# KiCad board mainboard.kicad_pcb (continued)
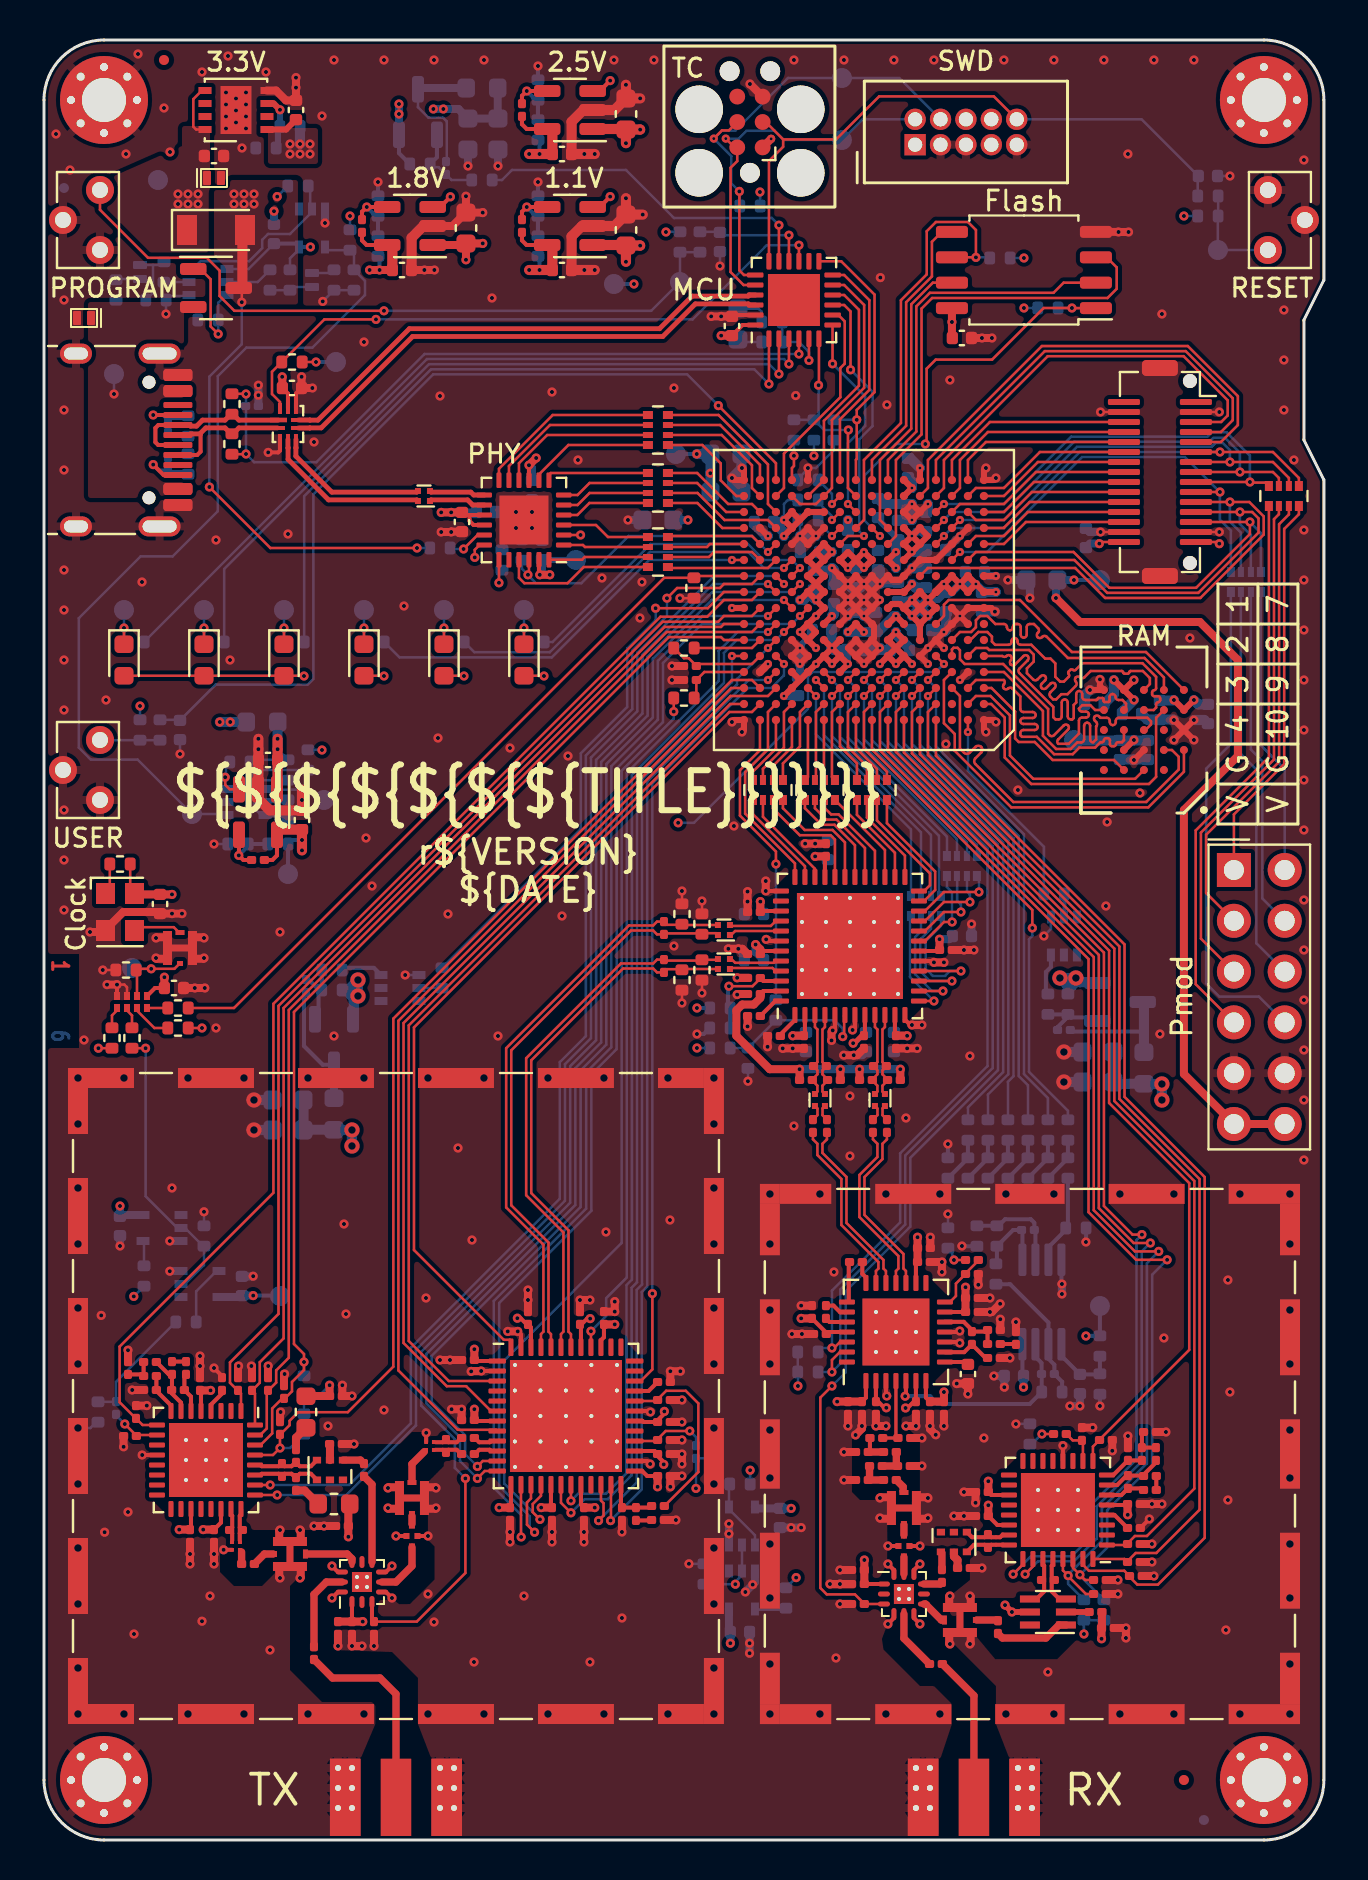
[diagram p0: board, top side]
## Routing (per net, layer and track width the routed paths; a pad name or vN(x,y) marks a point on that pad's centre or on a via; arc(x,y) is an arc through that point) (continued)
VBUS: length 2.9
  Bottom w0.127: Q2.1 7.2,77.2 6.31,77.2 R11.1 6.1,76.99 v1(6.1,76.3) ; TP4.1 v1(3.5,72.3)
VBUS_SAFE: length 26
  Top w0.127: v1(8.27,67.65) 11.32,64.6 v1(18.65,64.6) ; v1(9.89,76.89) 9.89,77.45 Q1.3
  Top w0.508: D8.2 9.92,80.37 9.92,77.78 Q1.3
  Bottom w0.127: v1(9.89,76.89) 9.89,74.79 8.27,73.17 v1(8.27,67.65) ; R19.1 v1(18.65,64.6)
  vias: v1(9.5,82.3) v1(9.5,81.8) v1(10,82.3) v1(10,81.8) v1(10.5,82.3) v1(10.5,81.8)
/Analog Power Supplies/~{POWER_GOOD}: length 44.3
  Bottom w0.127: U19.4 14.21,79.49 R97.2 15.5,79.29 R96.2 16.05,77.96 16.05,77.25 13.42,74.62 10.12,74.62 8.69,73.19 8.69,66.44 6.43,64.18 4.83,64.18 1.74,61.09 1.74,54.62 2.34,54.02 4.68,54.02 TP35.1 9.1,51.3 Q6.1 8.99,51.25
/Clock and Miscellaneous/AFE_CLK: length 26.5
  Top w0.127: R103.2 v1(7.9,40.6)
  In3.Cu w0.127: v1(32.65,39.6) 8.9,39.6 v1(7.9,40.6)
  Bottom w0.127: R30.1 v1(32.65,39.6)
/Clock and Miscellaneous/FPGA_CLK: length 36.7
  Top w0.127: U1.K16 32.59,63.2 R131.1 31.01,63.11 9.5,41.6 R45.2
/Clock and Miscellaneous/RX_CLK: length 64.2
  Top w0.127: R104.2 v1(2.72,39.59)
  In4.Cu w0.127: v1(34.57,12.79) 31.61,12.79 29.22,10.4 7.3,10.4 2.4,15.3 2.4,39.27 v1(2.72,39.59)
  Bottom w0.127: U23.2 34.9,13.2 ; U23.2 U20.2 ; U23.2 34.9,13.24 34.57,12.91 v1(34.57,12.79) R130.1
/Clock and Miscellaneous/RX_MIX_CLK: length 17.4
  Top w0.127: C124.2 v1(49.9,20.3)
  In4.Cu w0.127: v1(49.9,20.3) 48.17,20.3 44.47,16.6 41.09,16.6 v1(37.61,13.12)
  Bottom w0.127: v1(49.9,20.3) 49.39,19.79 R133.1 ; R106.2 v1(37.61,13.12)
/Clock and Miscellaneous/RX_RCVR_CLK: length 18.5
  Top w0.127: C94.2 v1(45.5,29)
  In4.Cu w0.127: v1(35.31,18.49) 38.03,21.21 40.01,21.21 42.04,23.24 43.13,23.24 44.9,25.01 44.9,27.4 45.5,28 v1(45.5,29)
  Bottom w0.127: R36.1 v1(35.31,18.49) ; v1(45.5,29) 45.42,29.08 45.42,29.37 R132.1
/Clock and Miscellaneous/TX_CLK: length 14.5
  Top w0.127: R105.2 v1(5.08,39.59)
  Bottom w0.127: v1(5.08,39.59) 5.08,32.19 6.67,30.6 U22.2 7.05,30.6 7.96,29.69 R127.1 8,28.75 7.05,27.8 U25.2
/Clock and Miscellaneous/TX_MIX_CLK: length 6.1
  Bottom w0.127: R134.1 3.59,21.91 C144.2 3.6,22.91 R35.2
/Clock and Miscellaneous/TX_XCVR_CLK: length 49.9
  In4.Cu w0.127: v1(4.49,27.18) 3.1,25.79 3.1,16.1 7.8,11.4 28.1,11.4 32.6,15.9 v1(32.6,17.58)
  Bottom w0.127: v1(32.6,17.58) C86.1 33.12,19.08 33.41,18.79 R135.1 ; R34.2 v1(4.49,27.18)
/Debugger/FPGA_ADV: length 10.9
  Top w0.127: U2.8 39.72,76.25 40.04,75.93 40.04,73.82 39.82,73.6 39.82,72.14 37,69.32 37,67.6 U1.R14
/Debugger/FPGA_CONFIG.DONE: length 10.6
  Top w0.127: U1.P9 v2(40.2,66.8) ; U2.7 39.43,75.74 v1(39.43,73.81)
  Bottom w0.127: v2(40.2,66.8) 40.2,69.84 41.06,70.7 41.06,72.18 v1(39.43,73.81)
/Debugger/FPGA_CONFIG.~{INIT}: length 14.3
  Top w0.127: U2.13 39.86,78.94 41.53,77.27 41.53,72.39 40.64,71.5 v1(40.64,71.01) 40.64,69.05 40.6,69.01 U1.T9
  Bottom w0.127: v1(40.64,71.01) R42.1
/Debugger/FPGA_CONFIG.~{PROGRAM}: length 10.6
  Top w0.127: U1.R9 40.2,67.6 40.2,70.48 v1(40.22,70.5) ; v1(38.73,72.74) 38.75,72.76 U2.6
  Bottom w0.127: v1(40.22,70.5) 39.01,70.5 R43.2 ; R43.2 38.73,71.24 v1(38.73,72.74) ; R43.2 R44.1
/Debugger/FPGA_JTAG.TCK: length 12
  Top w0.127: U1.T10 39.8,71.03 41.27,72.5 41.27,76.99 40.01,78.25 U2.12
/Debugger/FPGA_JTAG.TDI: length 14.3
  Top w0.127: U1.R13 37.8,66.8 38.6,66.8 U1.R11 39.4,67.6 39.4,71 41.01,72.61 41.01,76.75 40.01,77.75 U2.11
/Debugger/FPGA_JTAG.TDO: length 14.4
  Top w0.127: U1.M10 40.2,65.2 v2(41,65.2) ; U2.9 40.01,76.75 40.33,76.43 v1(40.33,73.51)
  Bottom w0.127: v1(40.33,73.51) 41.43,72.41 41.43,70.7 40.77,70.04 40.77,65.43 v2(41,65.2)
/Debugger/FPGA_JTAG.TMS: length 12
  Top w0.127: U1.R12 U1.T11 39,70.96 40.75,72.71 40.75,76.51 40.01,77.25 U2.10
/Debugger/LED1: length 39.5
  Top w0.127: U2.3 v1(37.25,73.8)
  Bottom w0.127: 5.01,59.92 R24.2 5.01,59.91 19.15,74.05 37,74.05 v1(37.25,73.8)
/Debugger/LED2: length 37.6
  Top w0.127: U2.2 v1(36.75,73.3)
  Bottom w0.127: R25.2 9.01,63.55 19.25,73.79 36.26,73.79 v1(36.75,73.3)
/Debugger/LED3: length 35.7
  Top w0.127: U2.1 v1(36.25,72.8)
  Bottom w0.127: R26.2 13.01,67.19 19.36,73.54 35.51,73.54 v1(36.25,72.8)
/Debugger/MCU_D+: length 25.4
  Top w0.24: U2.22 35.28,76.75 35.22,76.81 32.57,76.81 30.94,75.17 18.43,75.17 13.86,70.61 13.29,70.61 13.29,70.6 12.72,70.6
/Debugger/MCU_D-: length 25.4
  Top w0.24: 12.72,71 13.29,71 13.29,71 13.7,71 18.27,75.56 30.78,75.56 32.41,77.19 35.22,77.19 35.28,77.25 U2.21
/Debugger/MCU_SWCLK: length 23.7
  Top w0.127: U2.19 35,78.25 34.77,78.48 v1(34.77,82.43) ; v2(33.49,85.07) 33.9,85.48 34.25,85.48 J3.4
  Bottom w0.127: R5.2 34.77,81.72 v1(34.77,82.43) 34.37,82.83 34.37,84.19 v2(33.49,85.07) 33.89,85.47 34.57,85.47 37.2,88.1 TP2.1 42.76,88.1 J2.4
/Debugger/MCU_SWDIO: length 18.9
  Top w0.127: U2.20 34.98,77.75 34.33,78.4 34.33,83.61 34.67,83.94 J3.2 34.53,84.63 v2(34.09,85.07)
  Bottom w0.127: J2.2 40.94,86.03 TP3.1 37,85 36.54,85.46 35.13,85.46 34.74,85.07 v2(34.09,85.07)
/Debugger/USB_RESET_DETECT: length 35.2
  Top w0.127: v1(10.1,69.3) 10.09,69.29 R8.1 ; v1(10.1,72.3) 10.09,72.31 R7.2 ; U2.4 v1(37.75,74.3)
  Bottom w0.127: v1(37.75,74.3) 19.03,74.3 13.62,68.89 10.51,68.89 v1(10.1,69.3) 10.1,71.68 C5.1 10.1,71.72 v1(10.1,72.3)
/Debugger/USB_SWITCH: length 31.8
  Top w0.127: U2.15 v1(37.75,79.74) ; v1(16.6,76.03) 14.02,76.03 R6.2 11.4,73.41 11.4,72.3 11.8,71.9 U3.10
  Bottom w0.127: v1(16.6,76.03) 32.43,76.03 36.14,79.74 v1(37.75,79.74)
/Debugger/VERSION: length 4
  Top w0.127: U2.5 v1(38.25,73.98)
  Bottom w0.127: R2.1 R1.2 37.75,74.9 38.25,74.4 v1(38.25,73.98)
/Debugger/~{3V3FPGA_EN}: length 17.5
  Top w0.127: U2.17 v1(36.75,80.74)
  Bottom w0.127: R116.2 22.9,83 23.4,83.5 29.1,83.5 31.5,81.1 36.39,81.1 v1(36.75,80.74)
/Debugger/~{BTN_PROGRAM}: length 5.8
  Top w0.127: U2.16 v1(37.25,80.24)
  Bottom w0.127: R33.1 33.77,80.41 C54.1 33.94,80.24 v1(37.25,80.24)
/Debugger/~{BTN_RESET}: length 32.1
  Top w0.127: J3.3 36.09,85.9 36.96,85.03 ; 36.96,85.03 36.96,84.66 36.25,83.95 U2.18 ; 36.96,85.03 39.61,85.03 41.76,87.18 47.5,87.18 J2.10
  Bottom w0.127: R4.2 57.69,83.17 C1.1 54.88,86.03 J2.10
/Expansion Interfaces/MEZZANINE3: length 21.7
  Top w0.127: J6.3 58.86,70.9 59.19,71.23 59.19,71.99 56.98,74.19 50.19,74.19 45,69 45,67.6 U1.R4
/Expansion Interfaces/MEZZANINE4: length 22.3
  Top w0.127: J6.4 58.85,70.4 59.44,70.99 59.44,72.09 57.09,74.44 50.04,74.44 44.6,69 U1.T4
/Expansion Interfaces/MEZZANINE5: length 24.8
  Top w0.127: U1.R5 44.2,67.6 44.2,69 49.9,74.7 57.19,74.7 59.7,72.2 59.7,70.75 58.85,69.9 J6.5
/Expansion Interfaces/MEZZANINE6: length 22.2
  Top w0.127: RN4.1 62.75,68.1 61.45,69.4 v1(58.8,69.4) J6.6 ; U1.M4 v2(45,65.2)
  Bottom w0.127: v1(58.8,69.4) 51.8,69.4 48,65.6 45.4,65.6 v2(45,65.2)
/Expansion Interfaces/MEZZANINE7: length 21.8
  Top w0.127: U1.N3 v2(45.8,66) ; RN4.2 62.25,68.1 61.45,68.9 v1(59.3,68.9) J6.7
  Bottom w0.127: v2(45.8,66) 48,66 51.66,69.66 58.39,69.66 58.58,69.85 58.95,69.85 59.3,69.5 v1(59.3,68.9)
/Expansion Interfaces/MEZZANINE8: length 23
  Top w0.127: U1.N4 v2(45,66) ; RN4.3 61.75,68.1 61.45,68.4 v1(59.8,68.4) J6.8
  Bottom w0.127: v1(59.8,68.4) 59.8,69.36 59.05,70.11 58.48,70.11 58.28,69.91 51.51,69.91 48,66.4 45.4,66.4 v2(45,66)
/Expansion Interfaces/MEZZANINE9: length 22.9
  Top w0.127: J6.9 v1(60.3,67.9) 60.33,67.87 61.08,67.87 RN4.4 ; U1.P4 v2(45,66.8)
  Bottom w0.127: v2(45,66.8) 48,66.8 51.37,70.17 58.18,70.17 58.39,70.38 59.14,70.38 60.3,69.22 v1(60.3,67.9)
/Expansion Interfaces/MEZZANINE10: length 21.7
  Top w0.127: J6.10 v1(58.8,67.4) ; U1.L3 v2(45.8,64.4)
  Bottom w0.127: v2(45.8,64.4) 47.16,64.4 51.91,69.15 57.05,69.15 v1(58.8,67.4) 58.8,66.02 59.35,65.47 RN5.1
/Expansion Interfaces/MEZZANINE11: length 27.6
  Top w0.127: U1.K5 44.2,63.6 51.56,63.6 53.06,62.1 57.82,62.1 60.99,65.27 60.99,66.18 60.27,66.9 v1(59.3,66.9) J6.11
  Bottom w0.127: RN5.2 59.85,65.37 59.3,65.92 v1(59.3,66.9)
/Expansion Interfaces/MEZZANINE12: length 22.9
  Top w0.127: J6.12 v1(59.8,66.4) 60.41,66.4 60.73,66.08 60.73,65.37 57.71,62.36 53.17,62.36 51.52,64 U1.L1
  Bottom w0.127: v1(59.8,66.4) 59.8,65.8 60.35,65.25 RN5.3
/Expansion Interfaces/MEZZANINE13: length 22.1
  Top w0.127: U1.L2 46.6,64.4 51.48,64.4 53.27,62.61 57.61,62.61 60.3,65.3 v1(60.3,65.9) J6.13
  Bottom w0.127: v1(60.3,65.9) 60.85,65.35 RN5.4
/Expansion Interfaces/MEZZANINE18: length 7.5
  Top w0.127: J6.18 49.1,65.9 48,64.8 U1.M1
/Expansion Interfaces/MEZZANINE19: length 8.5
  Top w0.127: J6.19 49.2,66.4 48,65.2 46.6,65.2 U1.M2
/Expansion Interfaces/MEZZANINE20: length 7.5
  Top w0.127: U1.N1 48,65.6 48,65.61 49.29,66.9 J6.20
/Expansion Interfaces/MEZZANINE21: length 8.5
  Top w0.127: J6.21 49.4,67.4 48,66 46.6,66 U1.P2
/Expansion Interfaces/MEZZANINE22: length 7.6
  Top w0.127: J6.22 49.5,67.9 48,66.4 U1.P1
/Expansion Interfaces/MEZZANINE23: length 9.4
  Top w0.127: J6.23 49.6,68.4 48,66.8 45.8,66.8 U1.P3
/Expansion Interfaces/MEZZANINE24: length 7.7
  Top w0.127: J6.24 49.7,68.9 48,67.2 U1.R1
/Expansion Interfaces/MEZZANINE25: length 8.7
  Top w0.127: U1.R2 46.6,67.6 48,67.6 49.8,69.4 J6.25
/Expansion Interfaces/MEZZANINE26: length 9.2
  Top w0.127: U1.T2 46.2,69 47.1,69.9 J6.26
/Expansion Interfaces/MEZZANINE27: length 10.7
  Top w0.127: U1.R3 45.8,67.6 45.8,69 47.2,70.4 J6.27
/Expansion Interfaces/MEZZANINE28: length 10.4
  Top w0.127: U1.T3 45.4,69 47.3,70.9 J6.28
/Expansion Interfaces/PMOD1: length 19.5
  Top w0.127: RN4.8 62.75,66.29 62.01,65.55 62.01,53.79 59.5,51.28 J4.1
/Expansion Interfaces/PMOD2: length 23
  Top w0.127: RN4.7 62.25,66.28 61.76,65.79 61.76,53.91 58.11,50.26 58.11,47.35 J4.2
/Expansion Interfaces/PMOD3: length 25.6
  Top w0.127: RN4.6 61.75,66.29 61.5,66.04 61.5,54.02 57.85,50.37 57.85,45.07 J4.3
/Expansion Interfaces/PMOD4: length 28.1
  Top w0.127: RN4.5 61.25,54.14 57.59,50.48 57.59,42.79 J4.4
/Expansion Interfaces/PMOD7: length 14.4
  Bottom w0.127: RN5.5 60.85,54.73 62.04,53.54 J4.7
/Expansion Interfaces/PMOD8: length 17.1
  Bottom w0.127: J4.8 60.92,47.08 60.92,53.95 60.35,54.52 RN5.6
/Expansion Interfaces/PMOD9: length 19.9
  Bottom w0.127: J4.9 60.62,44.84 60.62,53.53 59.85,54.3 RN5.7
/Expansion Interfaces/PMOD10: length 24.8
  Bottom w0.127: J4.10 60.75,42.17 58.77,42.17 58.11,42.83 58.11,53.56 59.35,54.8 RN5.8
/FPGA Bank 8 and Configuration Flash/D0: length 14.4
  Top w0.127: U10.5 44.9,80.41 44.4,79.91 44.4,78.18 43.11,76.89 43.11,70.71 41.4,69 U1.T8
/FPGA Bank 8 and Configuration Flash/D1: length 18.7
  Top w0.127: U1.T7 42.2,69 43.62,70.42 43.62,76.68 44.3,77.36 50.48,77.36 50.99,77.86 U10.2
/FPGA Bank 8 and Configuration Flash/D2: length 25
  Top w0.127: U1.M7 42.6,65.2 42.6,69 43.88,70.28 43.88,76.57 44.41,77.1 53.18,77.1 53.64,77.56 53.64,78.63 53.13,79.14 U10.3
/FPGA Bank 8 and Configuration Flash/D3: length 14.5
  Top w0.127: U10.7 44.44,77.86 43.37,76.79 43.37,70.57 41.8,69 41.8,66 U1.N7
/FPGA Bank 8 and Configuration Flash/FLASH_CLK: length 22.4
  Top w0.127: U10.6 46.59,79.14 v1(46.6,79.13) 46.6,80.5 46.2,80.9 44.6,80.9 44.14,80.44 44.14,78.28 42.85,76.99 42.85,70.85 41,69 41,66 U1.N9
  Bottom w0.127: v1(46.6,79.13) 47.26,79.13 R37.2
/FPGA Bank 8 and Configuration Flash/FPGA_CFG0: length 1.7
  Top w0.127: U1.N10 v2(39.4,65.2)
  Bottom w0.127: R39.1 38.71,65.89 v2(39.4,65.2)
/FPGA Bank 8 and Configuration Flash/FPGA_CFG1: length 1.9
  Top w0.127: U1.P10 v2(39.4,66)
  Bottom w0.127: R40.1 38.71,66.88 39.4,66.19 v2(39.4,66)
/FPGA Bank 8 and Configuration Flash/FPGA_CFG2: length 2.1
  Top w0.127: U1.R10 v2(39.4,66.8)
  Bottom w0.127: R41.1 39.4,67.31 v2(39.4,66.8)
/FPGA Bank 8 and Configuration Flash/~{CS_DI}: length 21.8
  Top w0.127: U10.1 51.41,76.59 v1(51.4,76.6) 49.99,76.6 47.41,74.02 44.59,74.02 44.13,73.56 44.13,69.86 v1(44.07,69.8) ; U1.N8 v2(41.8,65.2)
  Bottom w0.127: v1(44.07,69.8) 42.6,69.8 41.02,68.22 41.02,65.98 v2(41.8,65.2) ; R38.2 v1(51.4,76.6)
/FPGA Bank 8 and Configuration Flash/~{FPGA_SELF_PROGRAM}: length 2
  Top w0.127: v1(37.5,69.21) 37.5,68.7 37.4,68.6 U1.T13
  Bottom w0.127: R44.2 v1(37.5,69.21)
/FPGA Banks 0 and 1/AFE_ALT_CLK: length 15.1
  Top w0.127: U1.A15 35.8,54.49 34.8,53.49 34.8,51.22 36.6,49.42 v1(36.6,48.8)
  Bottom w0.127: R119.2 v1(36.6,48.8)
/FPGA Banks 0 and 1/AFE_SPI.PICO: length 4.4
  Top w0.127: RN10.3 35.95,53.56 37,54.61 37,56.4 U1.B13
/FPGA Banks 0 and 1/AFE_SPI.SCK: length 3.5
  Top w0.127: RN10.4 35.45,53.42 36.6,54.57 U1.A14
/FPGA Banks 0 and 1/AFE_SPI.~{CS}: length 10.3
  Top w0.127: U1.B14 36.2,56.4 36.2,54.53 35.06,53.39 35.06,51.32 37.55,48.83 U11.36
/FPGA Banks 0 and 1/DA0: length 12.5
  Top w0.127: U1.C12 v2(38.6,57.2)
  Bottom w0.127: v2(38.6,57.2) 38.6,55.28 43.35,50.53 RN6.1
/FPGA Banks 0 and 1/DA1: length 13.5
  Top w0.127: U1.C11 v2(38.6,58)
  Bottom w0.127: RN6.2 43.85,50.39 39,55.24 U1.C11 v2(38.6,58)
/FPGA Banks 0 and 1/DA2: length 12.6
  Top w0.127: U1.C10 v2(39.4,57.2)
  Bottom w0.127: RN6.3 44.35,50.25 39.4,55.2 v2(39.4,57.2)
/FPGA Banks 0 and 1/DA3: length 13.6
  Top w0.127: U1.D11 v2(39.4,58)
  Bottom w0.127: v2(39.4,58) 39.8,57.6 39.8,55.16 44.75,50.21 44.75,47.3 RN6.4
/FPGA Banks 0 and 1/DA4: length 10.6
  Top w0.127: U1.C9 v2(40.2,57.2)
  Bottom w0.127: RN7.1 45.15,50.17 40.2,55.12 v2(40.2,57.2)
/FPGA Banks 0 and 1/DA5: length 11.6
  Top w0.127: U1.D9 v2(40.2,58)
  Bottom w0.127: RN7.2 45.65,50.03 40.6,55.08 40.6,57.6 v2(40.2,58)
/FPGA Banks 0 and 1/DA6: length 10.7
  Top w0.127: U1.C8 v2(41,57.2)
  Bottom w0.127: v2(41,57.2) 41,55.04 46.15,49.89 RN7.3
/FPGA Banks 0 and 1/DA7: length 11.7
  Top w0.127: U1.D8 v2(41,58)
  Bottom w0.127: v2(41,58) 41.4,57.6 41.4,55 46.65,49.75 RN7.4
/FPGA Banks 0 and 1/DD0: length 4.4
  Top w0.127: RN8.1 42.15,53.41 41,54.56 41,56.4 U1.B8
/FPGA Banks 0 and 1/DD1: length 3.4
  Top w0.127: RN8.2 41.65,53.55 40.6,54.6 U1.A9
/FPGA Banks 0 and 1/DD2: length 4.4
  Top w0.127: RN8.3 41.15,53.69 40.2,54.64 40.2,56.4 U1.B9
/FPGA Banks 0 and 1/DD3: length 3.4
  Top w0.127: U1.A10 39.8,54.68 40.65,53.83 RN8.4
/FPGA Banks 0 and 1/DD4: length 4
  Top w0.127: U1.B10 39.4,56.4 39.4,53.15 RN9.1
/FPGA Banks 0 and 1/DD5: length 3
  Top w0.127: U1.A11 39,53.05 RN9.2
/FPGA Banks 0 and 1/DD6: length 4
  Top w0.127: RN9.3 38.6,53.05 38.6,56.4 U1.B11
/FPGA Banks 0 and 1/DD7: length 3.1
  Top w0.127: U1.A12 38.2,53.15 RN9.4
/FPGA Banks 0 and 1/DD8: length 4.3
  Top w0.127: U1.B12 37.8,56.4 37.8,54.68 36.95,53.83 RN10.1
/FPGA Banks 0 and 1/DD9: length 3.4
  Top w0.127: U1.A13 37.4,54.65 36.45,53.7 RN10.2
/FPGA Banks 0 and 1/RX_MIX_CTRL.ENBL: length 49.7
  Top w0.127: U18.1 54.13,14.75 C121.1 54.18,14.83 54.55,15.2 55.15,15.2 57.52,17.57 57.52,32.95 53.52,36.95 53.52,44.57 43.8,54.29 U1.A5
/FPGA Banks 0 and 1/RX_MIX_CTRL.FM: length 52.7
  Top w0.127: U1.A6 43,54.37 53,44.37 53,31.7 54.43,30.27 v1(54.9,30.27) ; v1(48.46,13.29) 48.95,13.78 U18.25
  Bottom w0.127: v1(48.46,13.29) 49.35,14.18 51.38,14.18 52.38,15.18 52.38,16.78 54.63,19.03 54.63,30 v1(54.9,30.27)
/FPGA Banks 0 and 1/RX_MIX_CTRL.LD: length 54
  Top w0.127: U1.B6 42.6,56.4 42.6,54.4 52.75,44.25 52.75,31.59 54.49,29.85 v1(55.32,29.85) ; v1(49.06,13.29) 49.45,13.68 U18.26
  Bottom w0.127: v1(49.06,13.29) 49.7,13.93 51.5,13.93 52.64,15.07 52.64,16.68 54.89,18.93 54.89,29.42 v1(55.32,29.85)
/FPGA Banks 0 and 1/RX_MIX_CTRL.MODE: length 45.8
  Top w0.127: C120.1 52.45,19.67 U18.9 ; C120.1 52.78,20.03 ; C120.1 52.78,20.02 57.27,24.51 57.27,32.84 53.26,36.85 53.26,44.47 43.4,54.33 43.4,56.4 U1.B5
/FPGA Banks 0 and 1/RX_MIX_CTRL.SCLK: length 54.2
  Top w0.127: U1.A4 44.6,54.21 54.03,44.78 54.03,37.16 58.04,33.15 58.04,15.11 55.7,12.77 54.67,12.77 54.28,13.16 C117.1 54.02,13.46 52.25,13.46 51.95,13.76 U18.31
/FPGA Banks 0 and 1/RX_MIX_CTRL.SDATA: length 52.6
  Top w0.127: U1.B4 44.2,56.4 44.2,54.25 53.77,44.68 53.77,37.05 57.78,33.05 57.78,16.51 55.62,14.35 54.59,14.35 54.18,13.94 C116.1 54.03,14.05 U18.32
/FPGA Banks 0 and 1/RX_MIX_CTRL.~{EN}: length 55.8
  Top w0.127: U18.30 51.45,13.61 v1(51.8,13.26) 52.06,13 C118.1 ; U1.B7 41.8,56.4 41.8,54.48 52.23,44.05 52.23,31.39 54.61,29.01 v1(56.16,29.01)
  Bottom w0.127: v1(56.16,29.01) 55.41,28.26 55.41,18.73 53.16,16.48 53.16,14.62 v1(51.8,13.26) 51.8,13.21 R80.2
/FPGA Banks 0 and 1/RX_MIX_CTRL.~{RESET}: length 55.1
  Top w0.127: U1.A7 42.2,54.44 52.49,44.15 52.49,31.49 54.55,29.43 v1(55.74,29.43) ; U18.29 50.95,13.48 v1(51.21,13.22) 51.21,13.19 52.1,12.3 C119.1
  Bottom w0.127: R81.2 51.21,12.8 v1(51.21,13.22) 51.21,13.27 52.9,14.96 52.9,16.58 55.15,18.83 55.15,28.84 v1(55.74,29.43)
/FPGA Banks 0 and 1/RX_RCVR.GAIN0: length 25.5
  Top w0.127: U1.D6 v2(42.6,58)
  Bottom w0.127: R46.1 46.2,36.63 47.96,38.39 47.96,49.88 43,54.84 43,57.6 v2(42.6,58)
/FPGA Banks 0 and 1/RX_RCVR.GAIN1: length 24.2
  Top w0.127: U1.C5 v2(43.4,57.2)
  Bottom w0.127: v2(43.4,57.2) 43.4,54.81 48.22,49.99 48.22,38.29 47.2,37.27 R49.1
/FPGA Banks 0 and 1/RX_RCVR.GAIN2: length 24.8
  Top w0.127: U1.D5 v2(43.4,58)
  Bottom w0.127: R65.1 48.2,37.91 48.48,38.19 48.48,50.09 43.8,54.77 43.8,57.6 v2(43.4,58)
/FPGA Banks 0 and 1/RX_RCVR.GAIN3: length 23.8
  Top w0.127: U1.C4 v2(44.2,57.2)
  Bottom w0.127: R67.1 49.2,37.74 48.74,38.2 48.74,50.19 44.2,54.73 v2(44.2,57.2)
/FPGA Banks 0 and 1/RX_RCVR.GAIN4: length 25
  Top w0.127: U1.D4 v2(44.2,58)
  Bottom w0.127: R69.1 50.2,37.1 49,38.3 49,50.29 44.6,54.69 44.6,57.6 v2(44.2,58)
/FPGA Banks 0 and 1/RX_RCVR.GAIN5: length 24.2
  Top w0.127: U1.A8 41.4,54.52 49.42,46.5 v1(49.42,45.6)
  Bottom w0.127: v1(49.42,45.6) 49.42,45.21 49.25,45.04 49.25,38.41 51.2,36.46 R71.1
/FPGA Banks 0 and 1/RX_RCVR.SCL: length 43
  Top w0.127: U14.27 39.8,24.4 39.4,24 v1(39.4,23.4) ; U1.D7 v2(41.8,58)
  Bottom w0.127: R61.1 v1(39.4,23.4) 39.82,23.82 39.82,27.53 43.07,30.78 43.07,34.23 47.44,38.6 47.44,49.68 42.2,54.92 42.2,57.6 v2(41.8,58)
/FPGA Banks 0 and 1/RX_RCVR.SDA: length 40.3
  Top w0.127: U1.C7 v2(41.8,57.2) ; v1(39.4,24.6) 39.5,24.6 39.8,24.9 U14.26
  Bottom w0.127: v2(41.8,57.2) 41.8,54.96 47.18,49.58 47.18,38.7 42.81,34.33 42.81,30.88 39.4,27.47 v1(39.4,24.6) 38.91,24.6 R60.1
/FPGA Banks 0 and 1/~{RX_MIX_BYPASS}: length 54.5
  Top w0.127: U16.3 C113.2 41.02,11.81 40.55,12.28 39.14,12.28 38.82,12.6 38.82,22.12 v1(39.4,22.7) ; U1.C6 v2(42.6,57.2)
  Bottom w0.127: v1(39.4,22.7) 40.08,23.38 40.08,27.43 43.32,30.67 43.32,34.11 47.7,38.49 47.7,49.78 42.6,54.88 v2(42.6,57.2)
/FPGA Banks 2 and 3/ADC_IN+: length 3.5
  Top w0.127: R110.2 32.62,57.21 C164.1 33.02,58.4 U1.D16
/FPGA Banks 2 and 3/ADC_IN-: length 4.9
  Top w0.127: R111.2 32,59.09 32.24,59.09 32.62,58.71 ; C163.1 32.72,58.8 35.4,58.8 U1.E15
/FPGA Banks 2 and 3/ADC_PWM_OUT: length 3.5
  Top w0.127: R111.1 35.4,59.6 U1.F15
/FPGA Banks 2 and 3/LED4: length 20.3
  Top w0.127: U1.L16 v2(34.4,64)
  Bottom w0.127: R27.2 17.78,59.13 25.39,59.13 30.26,64 v2(34.4,64)
/FPGA Banks 2 and 3/LED5: length 19.2
  Top w0.127: U1.L13 v2(37,63.6)
  Bottom w0.127: R28.2 21.52,59.39 25.29,59.39 30.3,64.4 35.2,64.4 36,63.6 v2(37,63.6)
/FPGA Banks 2 and 3/LED6: length 15.9
  Top w0.127: U1.K13 v2(37.8,63.6)
  Bottom w0.127: R29.2 25.43,59.9 30.33,64.8 35.2,64.8 36,64 37.4,64 v2(37.8,63.6)
/FPGA Banks 2 and 3/PHY.CLK: length 5.6
  Top w0.127: U1.L14 36.2,63.6 31.25,63.6 RN3.1
/FPGA Banks 2 and 3/PHY.DATA0: length 4.3
  Top w0.127: RN1.1 32.67,66.85 33.92,65.6 U1.N16
/FPGA Banks 2 and 3/PHY.DATA1: length 6.1
  Top w0.127: U1.N14 36.2,66 34.03,66 32.68,67.35 RN1.2
/FPGA Banks 2 and 3/PHY.DATA2: length 4.4
  Top w0.127: U1.P16 34.11,66.4 32.66,67.85 RN1.3
/FPGA Banks 2 and 3/PHY.DATA3: length 5.4
  Top w0.127: RN1.4 32.66,68.35 34.21,66.8 35.4,66.8 U1.P15
/FPGA Banks 2 and 3/PHY.DATA4: length 5.4
  Top w0.127: RN2.1 32.92,69.75 33.84,68.83 33.84,67.98 34.62,67.2 U1.R16
/FPGA Banks 2 and 3/PHY.DATA5: length 6.5
  Top w0.127: RN2.2 33.89,70.25 35.4,68.74 35.4,67.6 U1.R15
/FPGA Banks 2 and 3/PHY.DATA6: length 6.2
  Top w0.127: RN2.3 33.81,70.75 35.8,68.76 U1.T15
/FPGA Banks 2 and 3/PHY.DATA7: length 8.6
  Top w0.127: U1.P14 36.2,66.8 36.2,68.78 33.73,71.25 RN2.4
/FPGA Banks 2 and 3/PHY.DIR: length 3.9
  Top w0.127: RN3.3 33.15,64.65 33.3,64.8 U1.M16
/FPGA Banks 2 and 3/PHY.NXT: length 4.8
  Top w0.127: U1.M15 35.4,65.2 31.25,65.2 RN3.4
/FPGA Banks 2 and 3/PHY.STP: length 4.9
  Top w0.127: U1.L15 35.4,64.4 33.5,64.4 33.25,64.15 RN3.2
/FPGA Banks 2 and 3/PHY.~{RESET}: length 15.7
  Top w0.127: U1.M14 v2(36.2,64.4) ; v1(24.2,63.26) 24.25,63.31 U9.22
  Bottom w0.127: R21.1 23.9,63.56 v1(24.2,63.26) 24.2,63.24 24.6,62.84 26.87,62.84 29.23,65.2 35.4,65.2 v2(36.2,64.4)
/FPGA Banks 2 and 3/TX_MIX_CTRL.ENBL: length 53.8
  Top w0.127: U13.1 9.85,22.33 C141.1 9.68,22.48 9.3,22.86 9.3,23.88 11.73,26.31 11.73,41.71 30.93,60.91 33.71,60.91 34,61.2 35.4,61.2 U1.H15
/FPGA Banks 2 and 3/TX_MIX_CTRL.FM: length 62.4
  Top w0.127: U13.25 v1(11.66,17.25) ; U1.K14 v2(37,62.8)
  Bottom w0.127: v2(37,62.8) U1.K14 33.5,63.2 33.5,63.2 29.67,59.37 29.67,56.44 27.35,54.12 27.35,40.09 26.05,38.79 26.05,31.96 18.6,24.51 18.6,20.73 15.12,17.25 v1(11.66,17.25)
/FPGA Banks 2 and 3/TX_MIX_CTRL.LD: length 60.7
  Top w0.127: U1.K15 35.4,62.8 34,62.8 33.8,62.6 31.66,62.6 v1(31.15,62.09) ; U13.26 v1(11.31,17.75)
  Bottom w0.127: v1(31.15,62.09) 31.15,61.21 29.42,59.48 29.42,56.55 27.1,54.23 27.1,40.2 25.79,38.89 25.79,32.06 18.35,24.62 18.35,20.84 15.26,17.75 v1(11.31,17.75)
/FPGA Banks 2 and 3/TX_MIX_CTRL.MODE: length 58.3
  Top w0.127: U1.J15 35.4,62 34,62 33.16,61.16 30.82,61.16 11.47,41.81 11.47,32.36 3.78,24.67 3.78,21.89 4.59,21.08 C140.1 4.93,20.75 U13.9
/FPGA Banks 2 and 3/TX_MIX_CTRL.SCLK: length 53.7
  Top w0.127: U13.31 10.81,20.25 11.14,20.58 11.14,22.44 11.1,22.48 11.13,22.48 ; U1.G15 35.4,60.4 31.14,60.4 12.24,41.5 12.24,24.11 11.61,23.48 11.61,22.87 11.22,22.48 C137.1 11.24,22.48
/FPGA Banks 2 and 3/TX_MIX_CTRL.SDATA: length 52.6
  Top w0.127: C136.1 10.42,22.48 ; C136.1 10.41,22.48 10.79,22.86 10.79,23.89 11.98,25.08 11.98,41.6 31.03,60.65 33.85,60.65 34,60.8 U1.G16 ; C136.1 10.55,22.33 U13.32
/FPGA Banks 2 and 3/TX_MIX_CTRL.~{EN}: length 54.1
  Top w0.127: U1.F16 34,60 33.85,60.15 31.25,60.15 12.5,41.4 12.5,24.8 13,24.3 v1(13,23.9) 13,23.5 12.4,22.9 12.4,22.44 12.04,22.08 C138.1 11.92,22.08 11.41,21.57 11.41,20.33 10.83,19.75 U13.30
  Bottom w0.127: R86.2 v1(13,23.9)
/FPGA Banks 2 and 3/TX_MIX_CTRL.~{RESET}: length 53.7
  Top w0.127: U1.C15 35.4,58 34.4,58 17.47,41.07 17.47,23.67 15.19,21.39 12.71,21.39 12.28,20.96 12.28,20.74 11.82,20.28 C139.1 v1(11.8,19.6) 11.45,19.25 U13.29
  Bottom w0.127: R87.2 12.31,19.6 v1(11.8,19.6)
/FPGA Banks 2 and 3/TX_XCVR.B1: length 48.2
  Top w0.127: U1.D14 v2(36.2,58) ; v1(28.33,15.97) 28.35,15.99 U12.23
  Bottom w0.127: v2(36.2,58) 35.23,58 30.16,52.93 30.16,27.67 29.89,27.4 29.89,17.53 v1(28.33,15.97)
/FPGA Banks 2 and 3/TX_XCVR.B2: length 55.4
  Top w0.127: U12.11 21.94,18.95 v1(21.67,18.68) ; U1.H13 v2(37,62)
  Bottom w0.127: v1(21.67,18.68) 21.06,19.29 21.06,20.24 19.38,21.92 19.38,24.2 26.83,31.65 26.83,38.48 28.12,39.77 28.12,53.8 30.44,56.12 30.44,59.06 33.38,62 v2(37,62)
/FPGA Banks 2 and 3/TX_XCVR.B3: length 47.9
  Top w0.127: U12.8 22.6,20.51 20.69,20.51 17.72,23.48 17.72,40.96 34.36,57.6 U1.C16
/FPGA Banks 2 and 3/TX_XCVR.B4: length 40.4
  Top w0.127: U1.E14 v2(37,58.8) ; U12.34 29.84,22.95 30.42,23.53 v1(30.42,27.32)
  Bottom w0.127: v2(37,58.8) 37,58.23 36.37,57.6 35.19,57.6 30.42,52.83 v1(30.42,27.32)
/FPGA Banks 2 and 3/TX_XCVR.B5: length 57.4
  Top w0.127: v1(23.86,15.15) 23.85,15.16 U12.14 ; U1.H14 v2(36.2,61.2)
  Bottom w0.127: v1(23.86,15.15) 23.86,16.25 22.49,17.62 22.49,26.95 27.11,31.57 27.11,38.38 28.37,39.64 28.37,53.69 30.7,56.02 30.7,58.96 32.94,61.2 v2(36.2,61.2)
/FPGA Banks 2 and 3/TX_XCVR.B6: length 44.4
  Top w0.127: U1.B16 34.31,56.8 18.24,40.73 18.24,24.95 20.24,22.95 U12.3
/FPGA Banks 2 and 3/TX_XCVR.B7: length 47.6
  Top w0.127: U1.C14 36.2,57.2 34.33,57.2 17.98,40.85 17.98,24.85 20.14,22.69 21.11,22.69 22.35,21.45 U12.6
/FPGA Banks 2 and 3/TX_XCVR.DIN: length 51.2
  Top w0.127: U1.G13 v2(37,60.4) ; U12.19 v1(26.35,16.96)
  Bottom w0.127: v2(37,60.4) 36.6,60 34.64,60 34,59.36 34,57.86 29.4,53.26 29.4,28.02 29.13,27.75 29.13,18.34 28.1,17.31 26.7,17.31 v1(26.35,16.96)
/FPGA Banks 2 and 3/TX_XCVR.LD: length 49.7
  Top w0.127: U12.22 27.85,16.97 27.98,16.84 27.98,16.22 v1(27.73,15.97) ; U1.F14 v2(36.2,59.6)
  Bottom w0.127: v2(36.2,59.6) 34.65,58.05 34.65,57.78 29.91,53.04 29.91,27.78 29.64,27.51 29.64,17.88 v1(27.73,15.97)
/FPGA Banks 2 and 3/TX_XCVR.RSSI: length 47.4
  Top w0.127: U12.16 24.85,17.21 24.44,16.8 24.44,16.39 v1(24.8,16.03) ; v1(31.49,56.42) R110.1
  Bottom w0.127: v1(31.49,56.42) 31.49,56.07 28.89,53.47 28.89,29.86 23.02,23.99 23.02,17.81 v1(24.8,16.03)
/FPGA Banks 2 and 3/TX_XCVR.RXHP: length 40.9
  Top w0.127: U12.40 v1(27.35,25.44) ; U1.G14 v2(36.2,60.4)
  Bottom w0.127: v2(36.2,60.4) 34.68,60.4 33.73,59.45 33.73,57.95 29.14,53.36 29.14,28.12 28.11,27.09 28.11,26.2 v1(27.35,25.44)
/FPGA Banks 2 and 3/TX_XCVR.RXTX: length 42.2
  Top w0.127: U12.48 23.35,24.96 23.3,25.01 22.99,25.01 18.5,29.5 18.5,40.63 34.27,56.4 35.4,56.4 U1.B15